# Altium PCB neuro_module.PcbDoc (part 1 of 5) (continued)
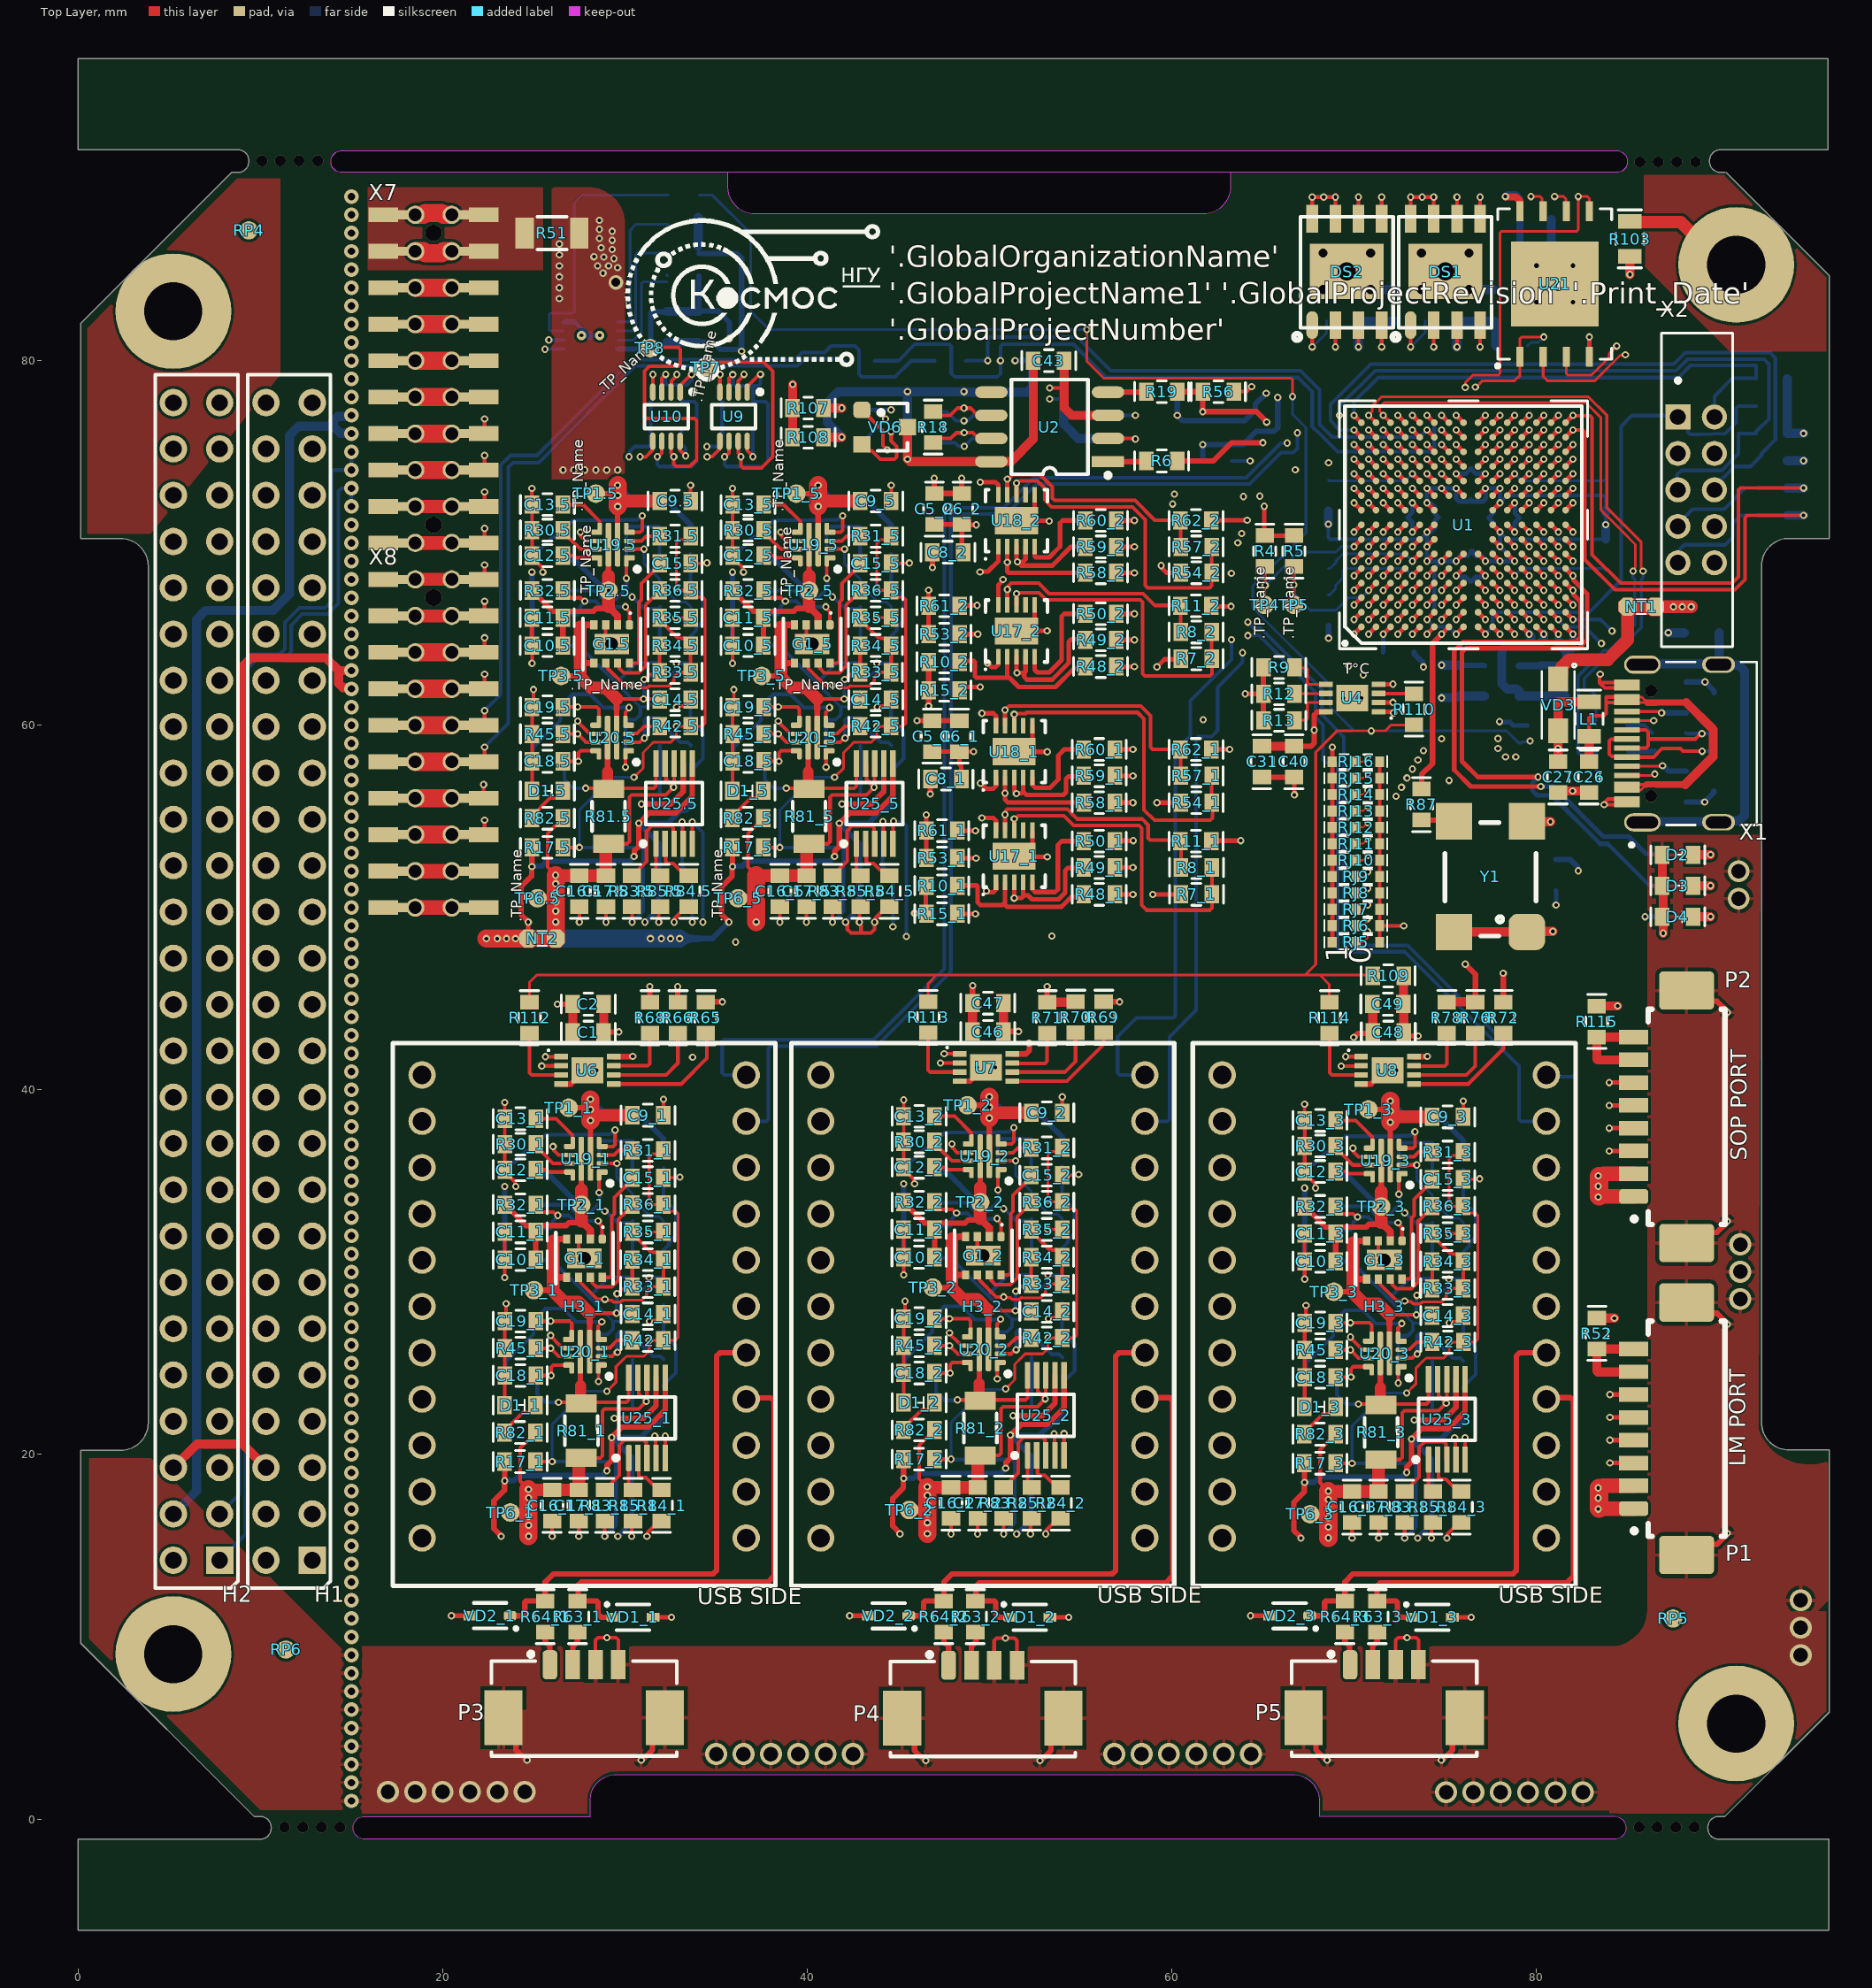
[diagram p0: Top Layer view]
## Components (designator, comment, footprint, x,y, rotation, side; value= is the part's Value field where it differs from the comment)
C1 "10мкФ" SMD_C0603 27.14,43.167 r0 top
C2 "0.1мкФ" SMD_C0603 27.14,44.704 r0 top
C3 "0.1мкФ" SMD_C0603 76.395,72.384 r90 bottom
C4 "0.1мкФ" SMD_C0603 77.374,71.378 r0 bottom
C5_1 "Capacitor" SMD_C0603 46.852,58.552 r90 top value=10мкФ (schematic designator C5)
C5_2 "Capacitor" SMD_C0603 46.979,71.016 r90 top value=10мкФ (schematic designator C5)
C6_1 "Capacitor" SMD_C0603 48.352,58.552 r90 top value=0.1мкФ (schematic designator C6)
C6_2 "Capacitor" SMD_C0603 48.479,71.016 r90 top value=0.1мкФ (schematic designator C6)
C7 "0.1мкФ" SMD_C0603 73.3,64 r180 bottom
C8_1 "Capacitor" SMD_C0603 48.452,57.052 r180 top value=0.1мкФ (schematic designator C8)
C8_2 "Capacitor" SMD_C0603 48.563,69.494 r180 top value=0.1мкФ (schematic designator C8)
C9.5 "Capacitor" SMD_C0603 33.6,72.3 r180 top value=10мкФ (schematic designator C9)
C9_1 "Capacitor" SMD_C0603 32.109,38.609 r180 top value=10мкФ (schematic designator C9)
C9_2 "Capacitor" SMD_C0603 53.988,38.746 r180 top value=10мкФ (schematic designator C9)
C9_3 "Capacitor" SMD_C0603 75.985,38.518 r180 top value=10мкФ (schematic designator C9)
C9_5 "Capacitor" SMD_C0603 44.6,72.3 r180 top value=10мкФ (schematic designator C9)
C10.5 "Capacitor" SMD_C0603 24.9,64.375 r0 top value=10мкФ (schematic designator C10)
C10_1 "Capacitor" SMD_C0603 23.409,30.684 r0 top value=10мкФ (schematic designator C10)
C10_2 "Capacitor" SMD_C0603 45.288,30.821 r0 top value=10мкФ (schematic designator C10)
C10_3 "Capacitor" SMD_C0603 67.285,30.593 r0 top value=10мкФ (schematic designator C10)
C10_5 "Capacitor" SMD_C0603 35.9,64.375 r0 top value=10мкФ (schematic designator C10)
C11.5 "Capacitor" SMD_C0603 24.9,65.9 r0 top value=0.1мкФ (schematic designator C11)
C11_1 "Capacitor" SMD_C0603 23.409,32.209 r0 top value=0.1мкФ (schematic designator C11)
C11_2 "Capacitor" SMD_C0603 45.288,32.346 r0 top value=0.1мкФ (schematic designator C11)
C11_3 "Capacitor" SMD_C0603 67.285,32.118 r0 top value=0.1мкФ (schematic designator C11)
C11_5 "Capacitor" SMD_C0603 35.9,65.9 r0 top value=0.1мкФ (schematic designator C11)
C12.5 "2.4нФ" SMD_C0603 24.903,69.308 r0 top (schematic designator C12)
C12_1 "2.4нФ" SMD_C0603 23.412,35.617 r0 top (schematic designator C12)
C12_2 "2.4нФ" SMD_C0603 45.291,35.754 r0 top (schematic designator C12)
C12_3 "2.4нФ" SMD_C0603 67.287,35.526 r0 top (schematic designator C12)
C12_5 "2.4нФ" SMD_C0603 35.903,69.308 r0 top (schematic designator C12)
C13.5 "16нФ" SMD_C0603 24.903,72.108 r0 top (schematic designator C13)
C13_1 "16нФ" SMD_C0603 23.412,38.417 r0 top (schematic designator C13)
C13_2 "16нФ" SMD_C0603 45.291,38.554 r0 top (schematic designator C13)
C13_3 "16нФ" SMD_C0603 67.287,38.326 r0 top (schematic designator C13)
C13_5 "16нФ" SMD_C0603 35.903,72.108 r0 top (schematic designator C13)
C14.5 "Capacitor" SMD_C0603 33.6,61.4 r180 top value=10мкФ (schematic designator C14)
C14_1 "Capacitor" SMD_C0603 32.109,27.709 r180 top value=10мкФ (schematic designator C14)
C14_2 "Capacitor" SMD_C0603 53.988,27.846 r180 top value=10мкФ (schematic designator C14)
C14_3 "Capacitor" SMD_C0603 75.985,27.618 r180 top value=10мкФ (schematic designator C14)
C14_5 "Capacitor" SMD_C0603 44.6,61.4 r180 top value=10мкФ (schematic designator C14)
C15.5 "Capacitor" SMD_C0603 33.6,68.875 r180 top value=0.1мкФ (schematic designator C15)
C15_1 "Capacitor" SMD_C0603 32.109,35.184 r180 top value=0.1мкФ (schematic designator C15)
C15_2 "Capacitor" SMD_C0603 53.988,35.321 r180 top value=0.1мкФ (schematic designator C15)
C15_3 "Capacitor" SMD_C0603 75.985,35.093 r180 top value=0.1мкФ (schematic designator C15)
C15_5 "Capacitor" SMD_C0603 44.6,68.875 r180 top value=0.1мкФ (schematic designator C15)
C16.5 "Capacitor" SMD_C0603 27.5,50.049 r90 top value=10мкФ (schematic designator C16)
C16_1 "Capacitor" SMD_C0603 26.009,16.358 r90 top value=10мкФ (schematic designator C16)
C16_2 "Capacitor" SMD_C0603 47.888,16.495 r90 top value=10мкФ (schematic designator C16)
C16_3 "Capacitor" SMD_C0603 69.885,16.266 r90 top value=10мкФ (schematic designator C16)
C16_5 "Capacitor" SMD_C0603 38.5,50.049 r90 top value=10мкФ (schematic designator C16)
C17.5 "Capacitor" SMD_C0603 28.96,50.049 r90 top value=0.1мкФ (schematic designator C17)
C17_1 "Capacitor" SMD_C0603 27.47,16.358 r90 top value=0.1мкФ (schematic designator C17)
C17_2 "Capacitor" SMD_C0603 49.349,16.495 r90 top value=0.1мкФ (schematic designator C17)
C17_3 "Capacitor" SMD_C0603 71.345,16.266 r90 top value=0.1мкФ (schematic designator C17)
C17_5 "Capacitor" SMD_C0603 39.96,50.049 r90 top value=0.1мкФ (schematic designator C17)
C18.5 "2.4нФ" SMD_C0603 24.903,58.023 r0 top (schematic designator C18)
C18_1 "2.4нФ" SMD_C0603 23.412,24.332 r0 top (schematic designator C18)
C18_2 "2.4нФ" SMD_C0603 45.291,24.469 r0 top (schematic designator C18)
C18_3 "2.4нФ" SMD_C0603 67.287,24.24 r0 top (schematic designator C18)
C18_5 "2.4нФ" SMD_C0603 35.903,58.023 r0 top (schematic designator C18)
C19.5 "10нФ" SMD_C0603 24.903,61.004 r0 top (schematic designator C19)
C19_1 "10нФ" SMD_C0603 23.412,27.313 r0 top (schematic designator C19)
C19_2 "10нФ" SMD_C0603 45.291,27.45 r0 top (schematic designator C19)
C19_3 "10нФ" SMD_C0603 67.287,27.222 r0 top (schematic designator C19)
C19_5 "10нФ" SMD_C0603 35.903,61.004 r0 top (schematic designator C19)
C20 "0.1мкФ" SMD_C0603 77.663,83.9 r270 bottom
C21 "0.1мкФ" SMD_C0603 72.3,83.9 r270 bottom
C24 "0.1мкФ" SMD_C0603 80.821,86.347 r180 bottom
C25 "10мкФ" SMD_C0603 80.821,87.747 r180 bottom
C26 "0.1мкФ" SMD_C0603 82.89,56.317 r90 top
C27 "0.1мкФ" SMD_C0603 81.19,56.317 r90 top
C28 "10мкФ" SMD_C0603 79.507,59.983 r0 bottom
C29 "K10-79" SMD_C0603 84.97,61.536 r180 bottom value=22пФ
C30 "K10-79" SMD_C0603 84.97,56.936 r180 bottom value=22пФ
C31 "10мкФ" SMD_C0603 64.948,57.152 r90 top
C32.5 "0.1мкФ" SMD_C0603 31.905,55.68 r0 bottom (schematic designator C32)
C32_1 "0.1мкФ" SMD_C0603 30.414,21.989 r0 bottom (schematic designator C32)
C32_2 "0.1мкФ" SMD_C0603 52.293,22.101 r0 bottom (schematic designator C32)
C32_3 "0.1мкФ" SMD_C0603 74.29,21.897 r0 bottom (schematic designator C32)
C32_5 "0.1мкФ" SMD_C0603 42.905,55.68 r0 bottom (schematic designator C32)
C33 "0.1мкФ" SMD_C0603 81.064,52.632 r270 bottom
C34 "Capacitor" SMD_C0603 68.587,71.75 r90 bottom value=10мкФ
C35 "Capacitor" SMD_C0603 83.8,71.8 r90 bottom value=10мкФ
C36 "0.1мкФ" SMD_C0603 76.396,69.566 r270 bottom
C37 "10мкФ" SMD_C0603 75.703,61.595 r90 bottom
C38 "10мкФ" SMD_C0603 81.559,61.597 r90 bottom
C39 "0.1мкФ" SMD_C0603 80.263,61.597 r90 bottom
C40 "0.1мкФ" SMD_C0603 66.7,57.152 r90 top
C41 "0.1мкФ" SMD_C0603 74.624,71.406 r180 bottom
C42 "10мкФ" SMD_C0603 34.06,81.028 r90 bottom
C43 "0.1мкФ" SMD_C0603 52.4,80 r0 top
C44 "0.1мкФ" SMD_C0603 52.364,80.008 r0 bottom
C45 "0.1мкФ" SMD_C0603 32.299,81.002 r90 bottom
C46 "10мкФ" SMD_C0603 49.06,43.195 r0 top
C47 "0.1мкФ" SMD_C0603 49.06,44.757 r0 top
C48 "10мкФ" SMD_C0603 71.031,43.167 r0 top
C49 "0.1мкФ" SMD_C0603 71.009,44.704 r0 top
D1.5 "LED" LED_0603 26.591,56.4 r180 top value=red (schematic designator D1)
D1_1 "LED" LED_0603 25.101,22.709 r180 top value=red (schematic designator D1)
D1_2 "LED" LED_0603 46.98,22.846 r180 top value=red (schematic designator D1)
D1_3 "LED" LED_0603 68.976,22.618 r180 top value=red (schematic designator D1)
D1_5 "LED" LED_0603 37.591,56.4 r180 top value=red (schematic designator D1)
D2 "LED" LED_0603 88.604,52.897 r180 top value=blue
D3 "LED" LED_0603 88.604,51.197 r180 top value=green
D4 "LED" LED_0603 88.604,49.497 r180 top value=red
DS1 "FM25V20" TDFN-8_6x5 73.1,81.95 r90 top
DS2 "FM25V20" TDFN-8_6x5 67.7,81.95 r90 top
G1.5 "TPS82130" uSiL-8 30.247,65.506 r270 top (schematic designator G1)
G1_1 "TPS82130" uSiL-8 28.757,31.816 r270 top (schematic designator G1)
G1_2 "TPS82130" uSiL-8 50.636,31.953 r270 top (schematic designator G1)
G1_3 "TPS82130" uSiL-8 72.632,31.724 r270 top (schematic designator G1)
G1_5 "TPS82130" uSiL-8 41.247,65.506 r270 top (schematic designator G1)
H1 "ESQ-126-39-G-D" ESQ-126-39-G-D 12.85,14.2 r90 top locked
H2 "ESQ-126-39-G-D" ESQ-126-39-G-D 7.77,14.2 r90 top locked
H3_1 "DS1021-1x20" DS1021-1x20 38.262,14.048 r180 top (schematic designator H3)
H3_2 "DS1021-1x20" DS1021-1x20 60.132,14.048 r180 top (schematic designator H3)
H3_3 "DS1021-1x20" DS1021-1x20 82.153,14.048 r180 top (schematic designator H3)
L1 "Inductor" SMD_0805 82.89,59.393 r90 top value=1мкГн
L2 "65Ohm@100MHz" ACM2012 86.491,58.577 r0 bottom
L3 "Inductor" SMD_0805 90.019,65.076 r180 bottom value=1мкГн
L4 "1мкГн" SMD_0805 77.157,63.262 r0 bottom
L5 "1мкГн" SMD_0805 77.153,61.595 r0 bottom
NT1 "OSM R1-8" NetTie_1mm 85,66.5 r0 top net-tie value=0
NT2 "OSM R1-8" NetTie_1mm 26.2,48.3 r180 top net-tie value=0
P1 "53261-0871" 53261-0871 86.763,21.412 r90 top
P2 "53261-0871" 53261-0871 86.763,38.524 r90 top
P3 "PicoBlade_53261-0471" 53261-0471 27.762,7.013 r0 top
P4 "PicoBlade_53261-0471" 53261-0471 49.632,6.987 r0 top
P5 "PicoBlade_53261-0471" 53261-0471 71.653,7.013 r0 top
R1 "4к7" SMD_0603 86.955,52.897 r0 bottom
R2 "10к" SMD_0603 86.955,51.197 r0 bottom
R3 "4к7" SMD_0603 86.955,49.497 r0 bottom
R4 "4к7" SMD_0603 65.1,68.7 r90 top
R5 "4к7" SMD_0603 66.7,68.7 r90 top
R6 "Resistor" SMD_0603 58.6,74.5 r0 top value=100
R7_1 "Resistor" SMD_0603 60.503,50.724 r0 top value=910 (schematic designator R7)
R7_2 "Resistor" SMD_0603 60.49,63.652 r0 top value=910 (schematic designator R7)
R8_1 "Resistor" SMD_0603 60.503,52.197 r0 top value=120 (schematic designator R8)
R8_2 "Resistor" SMD_0603 60.49,65.112 r0 top value=120 (schematic designator R8)
R9 "100" SMD_0603 65.024,63.17 r0 top
R10_1 "Resistor" SMD_0603 46.533,51.192 r0 top value=100к (schematic designator R10)
R10_2 "Resistor" SMD_0603 46.66,63.475 r0 top value=100к (schematic designator R10)
R11_1 "Resistor" SMD_0603 62.179,53.645 r180 top value=910 (schematic designator R11)
R11_2 "Resistor" SMD_0603 62.179,66.548 r180 top value=910 (schematic designator R11)
R12 "100" SMD_0603 65.024,61.723 r0 top
R13 "100" SMD_0603 65.024,60.274 r0 top
R14 "100" SMD_0603 34.052,87.485 r180 bottom
R15_1 "Resistor" SMD_0603 46.533,49.657 r0 top value=100к (schematic designator R15)
R15_2 "Resistor" SMD_0603 46.66,61.925 r0 top value=100к (schematic designator R15)
R16 "100" SMD_0603 34.049,85.894 r180 bottom
R17.5 "10к" SMD_0603 26.591,53.3 r180 top (schematic designator R17)
R17_1 "10к" SMD_0603 25.101,19.609 r180 top (schematic designator R17)
R17_2 "10к" SMD_0603 46.98,19.746 r180 top (schematic designator R17)
R17_3 "10к" SMD_0603 68.976,19.518 r180 top (schematic designator R17)
R17_5 "10к" SMD_0603 37.591,53.3 r180 top (schematic designator R17)
R18 "Resistor" SMD_0603 46.9,77.2 r270 top value=120
R19 "Resistor" SMD_0603 58.604,78.3 r0 top value=510
R20.5 "470к" SMD_0603 31.911,70.9 r0 bottom (schematic designator R20)
R20_1 "470k" SMD_0603 30.421,37.209 r0 bottom (schematic designator R20)
R20_2 "470k" SMD_0603 52.299,37.321 r0 bottom (schematic designator R20)
R20_3 "470k" SMD_0603 74.296,37.118 r0 bottom (schematic designator R20)
R20_5 "470к" SMD_0603 42.911,70.9 r0 bottom (schematic designator R20)
R21.5 "51к" SMD_0603 24.901,69.307 r0 bottom (schematic designator R21)
R21_1 "51к" SMD_0603 23.411,35.616 r0 bottom (schematic designator R21)
R21_2 "51к" SMD_0603 45.29,35.728 r0 bottom (schematic designator R21)
R21_3 "51к" SMD_0603 67.286,35.524 r0 bottom (schematic designator R21)
R21_5 "51к" SMD_0603 35.901,69.307 r0 bottom (schematic designator R21)
R22.5 "120к" SMD_0603 33.6,69.4 r180 bottom (schematic designator R22)
R22_1 "120k" SMD_0603 32.109,35.709 r180 bottom (schematic designator R22)
R22_2 "120k" SMD_0603 53.988,35.821 r180 bottom (schematic designator R22)
R22_3 "120k" SMD_0603 75.985,35.618 r180 bottom (schematic designator R22)
R22_5 "120к" SMD_0603 44.6,69.4 r180 bottom (schematic designator R22)
R23.5 "5к6" SMD_0603 24.903,70.708 r0 bottom (schematic designator R23)
R23_1 "5к6" SMD_0603 23.412,37.017 r0 bottom (schematic designator R23)
R23_2 "5к6" SMD_0603 45.291,37.129 r0 bottom (schematic designator R23)
R23_3 "5к6" SMD_0603 67.287,36.926 r0 bottom (schematic designator R23)
R23_5 "5к6" SMD_0603 35.903,70.708 r0 bottom (schematic designator R23)
R24.5 "0" SMD_0603 31.911,67.9 r0 bottom (schematic designator R24)
R24_1 "0" SMD_0603 30.421,34.209 r0 bottom (schematic designator R24)
R24_2 "0" SMD_0603 52.299,34.321 r0 bottom (schematic designator R24)
R24_3 "0" SMD_0603 74.296,34.118 r0 bottom (schematic designator R24)
R24_5 "0" SMD_0603 42.911,67.9 r0 bottom (schematic designator R24)
R25.5 "100" SMD_0603 26.602,67.387 r180 bottom (schematic designator R25)
R25_1 "100" SMD_0603 25.111,33.697 r180 bottom (schematic designator R25)
R25_2 "100" SMD_0603 46.99,33.808 r180 bottom (schematic designator R25)
R25_3 "100" SMD_0603 68.987,33.605 r180 bottom (schematic designator R25)
R25_5 "100" SMD_0603 37.602,67.387 r180 bottom (schematic designator R25)
R26.5 "Resistor" SMD_0603 26.6,65.9 r180 bottom value=DNP (schematic designator R26)
R26_1 "Resistor" SMD_0603 25.109,32.209 r180 bottom value=DNP (schematic designator R26)
R26_2 "Resistor" SMD_0603 46.988,32.321 r180 bottom value=DNP (schematic designator R26)
R26_3 "Resistor" SMD_0603 68.985,32.118 r180 bottom value=DNP (schematic designator R26)
R26_5 "Resistor" SMD_0603 37.6,65.9 r180 bottom value=DNP (schematic designator R26)
R27.5 "43к" SMD_0603 31.911,64.9 r0 bottom (schematic designator R27)
R27_1 "43k" SMD_0603 30.421,31.209 r0 bottom (schematic designator R27)
R27_2 "43k" SMD_0603 52.299,31.321 r0 bottom (schematic designator R27)
R27_3 "43k" SMD_0603 74.296,31.118 r0 bottom (schematic designator R27)
R27_5 "43к" SMD_0603 42.911,64.9 r0 bottom (schematic designator R27)
R28.5 "390к(DNP)" SMD_0603 31.911,66.4 r0 bottom (schematic designator R28)
R28_1 "390к(DNP)" SMD_0603 30.421,32.709 r0 bottom (schematic designator R28)
R28_2 "390к(DNP)" SMD_0603 52.299,32.821 r0 bottom (schematic designator R28)
R28_3 "390к(DNP)" SMD_0603 74.296,32.618 r0 bottom (schematic designator R28)
R28_5 "390к(DNP)" SMD_0603 42.911,66.4 r0 bottom (schematic designator R28)
R29.5 "Resistor" SMD_0603 26.601,64.374 r180 bottom value=DNP (schematic designator R29)
R29_1 "Resistor" SMD_0603 25.111,30.683 r180 bottom value=DNP (schematic designator R29)
R29_2 "Resistor" SMD_0603 46.99,30.794 r180 bottom value=DNP (schematic designator R29)
R29_3 "Resistor" SMD_0603 68.986,30.591 r180 bottom value=DNP (schematic designator R29)
R29_5 "Resistor" SMD_0603 37.601,64.374 r180 bottom value=DNP (schematic designator R29)
R30.5 "3к3" SMD_0603 24.903,70.708 r0 top (schematic designator R30)
R30_1 "3k3" SMD_0603 23.412,37.017 r0 top (schematic designator R30)
R30_2 "3k3" SMD_0603 45.291,37.154 r0 top (schematic designator R30)
R30_3 "3k3" SMD_0603 67.287,36.926 r0 top (schematic designator R30)
R30_5 "3к3" SMD_0603 35.903,70.708 r0 top (schematic designator R30)
R31.5 "10" SMD_0603 33.6,70.375 r180 top (schematic designator R31)
R31_1 "10" SMD_0603 32.109,36.684 r180 top (schematic designator R31)
R31_2 "10" SMD_0603 53.988,36.821 r180 top (schematic designator R31)
R31_3 "10" SMD_0603 75.985,36.593 r180 top (schematic designator R31)
R31_5 "10" SMD_0603 44.6,70.375 r180 top (schematic designator R31)
R32.5 "Resistor" SMD_0603 24.903,67.388 r0 top value=100к (schematic designator R32)
R32_1 "Resistor" SMD_0603 23.412,33.697 r0 top value=100к (schematic designator R32)
R32_2 "Resistor" SMD_0603 45.291,33.834 r0 top value=100к (schematic designator R32)
R32_3 "Resistor" SMD_0603 67.287,33.606 r0 top value=100к (schematic designator R32)
R32_5 "Resistor" SMD_0603 35.903,67.388 r0 top value=100к (schematic designator R32)
R33.5 "150к" SMD_0603 31.9,62.9 r0 top (schematic designator R33)
R33_1 "160k" SMD_0603 30.409,29.209 r0 top (schematic designator R33)
R33_2 "160k" SMD_0603 52.288,29.346 r0 top (schematic designator R33)
R33_3 "160k" SMD_0603 74.285,29.118 r0 top (schematic designator R33)
R33_5 "160к" SMD_0603 42.9,62.9 r0 top (schematic designator R33)
R34.5 "DNP" SMD_0603 31.9,64.375 r0 top (schematic designator R34)
R34_1 "DNP" SMD_0603 30.409,30.684 r0 top (schematic designator R34)
R34_2 "DNP" SMD_0603 52.288,30.821 r0 top (schematic designator R34)
R34_3 "DNP" SMD_0603 74.285,30.593 r0 top (schematic designator R34)
R34_5 "DNP" SMD_0603 42.9,64.375 r0 top (schematic designator R34)
R35.5 "47к" SMD_0603 31.9,65.9 r0 top (schematic designator R35)
R35_1 "30k" SMD_0603 30.409,32.209 r0 top (schematic designator R35)
R35_2 "30k" SMD_0603 52.288,32.346 r0 top (schematic designator R35)
R35_3 "30k" SMD_0603 74.285,32.118 r0 top (schematic designator R35)
R35_5 "30к" SMD_0603 42.9,65.9 r0 top (schematic designator R35)
R36.5 "10" SMD_0603 33.6,67.4 r180 top (schematic designator R36)
R36_1 "10" SMD_0603 32.109,33.709 r180 top (schematic designator R36)
R36_2 "10" SMD_0603 53.988,33.846 r180 top (schematic designator R36)
R36_3 "10" SMD_0603 75.985,33.618 r180 top (schematic designator R36)
R36_5 "10" SMD_0603 44.6,67.4 r180 top (schematic designator R36)
R37.5 "470к" SMD_0603 31.911,63.425 r0 bottom (schematic designator R37)
R37_1 "470k" SMD_0603 30.421,29.734 r0 bottom (schematic designator R37)
R37_2 "470k" SMD_0603 52.299,29.846 r0 bottom (schematic designator R37)
R37_3 "470k" SMD_0603 74.296,29.643 r0 bottom (schematic designator R37)
R37_5 "470к" SMD_0603 42.911,63.425 r0 bottom (schematic designator R37)
R38.5 "51к" SMD_0603 24.978,58.02 r0 bottom (schematic designator R38)
R38_1 "51к" SMD_0603 23.487,24.329 r0 bottom (schematic designator R38)
R38_2 "51к" SMD_0603 45.366,24.44 r0 bottom (schematic designator R38)
R38_3 "51к" SMD_0603 67.363,24.237 r0 bottom (schematic designator R38)
R38_5 "51к" SMD_0603 35.978,58.02 r0 bottom (schematic designator R38)
R39.5 "91к" SMD_0603 33.6,61.9 r180 bottom (schematic designator R39)
R39_1 "62k" SMD_0603 32.109,28.209 r180 bottom (schematic designator R39)
R39_2 "62k" SMD_0603 53.988,28.321 r180 bottom (schematic designator R39)
R39_3 "62k" SMD_0603 75.985,28.118 r180 bottom (schematic designator R39)
R39_5 "62к" SMD_0603 44.6,61.9 r180 bottom (schematic designator R39)
R40.5 "5к6" SMD_0603 24.903,60.973 r0 bottom (schematic designator R40)
R40_1 "5к6" SMD_0603 23.412,27.282 r0 bottom (schematic designator R40)
R40_2 "5к6" SMD_0603 45.291,27.393 r0 bottom (schematic designator R40)
R40_3 "5к6" SMD_0603 67.287,27.19 r0 bottom (schematic designator R40)
R40_5 "5к6" SMD_0603 35.903,60.973 r0 bottom (schematic designator R40)
R41.5 "0" SMD_0603 31.911,60.4 r0 bottom (schematic designator R41)
R41_1 "0" SMD_0603 30.421,26.709 r0 bottom (schematic designator R41)
R41_2 "0" SMD_0603 52.299,26.821 r0 bottom (schematic designator R41)
R41_3 "0" SMD_0603 74.296,26.618 r0 bottom (schematic designator R41)
R41_5 "0" SMD_0603 42.911,60.4 r0 bottom (schematic designator R41)
R42.5 "DNP" SMD_0603 33.605,59.948 r180 top (schematic designator R42)
R42_1 "DNP" SMD_0603 32.114,26.257 r180 top (schematic designator R42)
R42_2 "DNP" SMD_0603 53.993,26.394 r180 top (schematic designator R42)
R42_3 "DNP" SMD_0603 75.99,26.166 r180 top (schematic designator R42)
R42_5 "DNP" SMD_0603 44.605,59.948 r180 top (schematic designator R42)
R43.5 "270к" SMD_0603 31.911,57.4 r0 bottom (schematic designator R43)
R43_1 "130k" SMD_0603 30.421,23.709 r0 bottom (schematic designator R43)
R43_2 "130k" SMD_0603 52.299,23.821 r0 bottom (schematic designator R43)
R43_3 "130k" SMD_0603 74.296,23.618 r0 bottom (schematic designator R43)
R43_5 "130к" SMD_0603 42.911,57.4 r0 bottom (schematic designator R43)
R44.5 "390к(DNP)" SMD_0603 31.911,58.9 r0 bottom (schematic designator R44)
R44_1 "390к(DNP)" SMD_0603 30.421,25.209 r0 bottom (schematic designator R44)
R44_2 "390к(DNP)" SMD_0603 52.299,25.321 r0 bottom (schematic designator R44)
R44_3 "390к(DNP)" SMD_0603 74.296,25.118 r0 bottom (schematic designator R44)
R44_5 "390к(DNP)" SMD_0603 42.911,58.9 r0 bottom (schematic designator R44)
R45.5 "1к1" SMD_0603 24.903,59.523 r0 top (schematic designator R45)
R45_1 "3k3" SMD_0603 23.412,25.832 r0 top (schematic designator R45)
R45_2 "3k3" SMD_0603 45.291,25.969 r0 top (schematic designator R45)
R45_3 "3k3" SMD_0603 67.287,25.74 r0 top (schematic designator R45)
R45_5 "3к3" SMD_0603 35.903,59.523 r0 top (schematic designator R45)
R46 "OSM R1-8" SMD_0603 84.97,60 r180 bottom value=27
R47 "OSM R1-8" SMD_0603 84.97,58.476 r180 bottom value=27
R48_1 "Resistor" SMD_0603 55.169,50.724 r0 top value=100 (schematic designator R48)
R48_2 "Resistor" SMD_0603 55.247,63.221 r0 top value=100 (schematic designator R48)
R49_1 "Resistor" SMD_0603 55.169,52.197 r0 top value=100 (schematic designator R49)
R49_2 "Resistor" SMD_0603 55.245,64.68 r0 top value=100 (schematic designator R49)
R50_1 "Resistor" SMD_0603 55.169,53.645 r0 top value=100 (schematic designator R50)
R50_2 "Resistor" SMD_0603 55.247,66.116 r0 top value=100 (schematic designator R50)
R51 "0" SMD_1206 24.5,87 r0 top
R52 "1k" SMD_0603 83.314,27.487 r270 top
R53_1 "Resistor" SMD_0603 46.533,52.717 r0 top value=10к (schematic designator R53)
R53_2 "Resistor" SMD_0603 46.66,64.999 r0 top value=10к (schematic designator R53)
R54_1 "Resistor" SMD_0603 60.49,55.753 r0 top value=910 (schematic designator R54)
R54_2 "Resistor" SMD_0603 60.49,68.363 r0 top value=910 (schematic designator R54)
R55 "Resistor" SMD_0603 58.6,74.5 r0 bottom value=510
R56 "Resistor" SMD_0603 63.4,78.3 r180 top value=1к
R57_1 "Resistor" SMD_0603 60.49,57.226 r0 top value=120 (schematic designator R57)
R57_2 "Resistor" SMD_0603 60.49,69.786 r0 top value=120 (schematic designator R57)
R58_1 "Resistor" SMD_0603 55.171,55.753 r0 top value=100 (schematic designator R58)
R58_2 "Resistor" SMD_0603 55.247,68.363 r0 top value=100 (schematic designator R58)
R59_1 "Resistor" SMD_0603 55.169,57.226 r0 top value=100 (schematic designator R59)
R59_2 "Resistor" SMD_0603 55.247,69.786 r0 top value=100 (schematic designator R59)
R60_1 "Resistor" SMD_0603 55.169,58.674 r0 top value=100 (schematic designator R60)
R60_2 "Resistor" SMD_0603 55.247,71.234 r0 top value=100 (schematic designator R60)
R61_1 "Resistor" SMD_0603 46.533,54.217 r0 top value=10к (schematic designator R61)
R61_2 "Resistor" SMD_0603 46.66,66.548 r0 top value=10к (schematic designator R61)
R62_1 "Resistor" SMD_0603 62.179,58.674 r180 top value=910 (schematic designator R62)
R62_2 "Resistor" SMD_0603 62.179,71.234 r180 top value=910 (schematic designator R62)
R63_1 "Resistor" SMD_0603 27.407,10.263 r90 top value=100 (schematic designator R63)
R63_2 "Resistor" SMD_0603 49.225,10.263 r90 top value=100 (schematic designator R63)
R63_3 "Resistor" SMD_0603 71.272,10.262 r90 top value=100 (schematic designator R63)
R64_1 "Resistor" SMD_0603 25.629,10.263 r90 top value=100 (schematic designator R64)
R64_2 "Resistor" SMD_0603 47.498,10.263 r90 top value=100 (schematic designator R64)
R64_3 "Resistor" SMD_0603 69.494,10.263 r90 top value=100 (schematic designator R64)
R65 "100" SMD_0603 34.442,44.806 r270 top
R66 "100" SMD_0603 32.906,44.806 r270 top
R67 "Resistor" SMD_0603 46.9,75.5 r90 bottom value=120
R68 "100" SMD_0603 31.369,44.806 r270 top
R69 "100" SMD_0603 56.259,44.831 r270 top
R70 "100" SMD_0603 54.722,44.831 r270 top
R71 "100" SMD_0603 53.16,44.806 r270 top
R72 "100" SMD_0603 78.182,44.817 r270 top
R73 "OSM R1-8" SMD_0603 88.219,57.497 r270 bottom value=5к1
R74 "OSM R1-8" SMD_0603 88.219,62.377 r270 bottom value=5к1
R75 "Resistor" SMD_0603 58.6,78.3 r0 bottom value=100
R76 "100" SMD_0603 76.645,44.817 r270 top
R77 "100" SMD_0603 34.049,84.294 r180 bottom
R78 "100" SMD_0603 75.083,44.817 r270 top
R79 "100к" SMD_0603 37.022,76.124 r180 bottom
R80 "100" SMD_0603 35.333,77.749 r0 bottom
R81.5 "1мОм 0.5% 100ppm/°C" SMD_1206 29.1,53.5 r90 top (schematic designator R81)
R81_1 "1мОм 0.5% 100ppm/°C" SMD_1206 27.61,19.809 r90 top (schematic designator R81)
R81_2 "1мОм 0.5% 100ppm/°C" SMD_1206 49.489,19.946 r90 top (schematic designator R81)
R81_3 "1мОм 0.5% 100ppm/°C" SMD_1206 71.485,19.718 r90 top (schematic designator R81)
R81_5 "1мОм 0.5% 100ppm/°C" SMD_1206 40.1,53.5 r90 top (schematic designator R81)
R82.5 "4к7" SMD_0603 26.591,54.9 r180 top (schematic designator R82)
R82_1 "4k7" SMD_0603 25.101,21.209 r180 top (schematic designator R82)
R82_2 "4k7" SMD_0603 46.98,21.346 r180 top (schematic designator R82)
R82_3 "4k7" SMD_0603 68.976,21.118 r180 top (schematic designator R82)
R82_5 "4к7" SMD_0603 37.591,54.9 r180 top (schematic designator R82)
R83.5 "10" SMD_0603 30.389,50.049 r90 top (schematic designator R83)
R83_1 "10" SMD_0603 28.899,16.358 r90 top (schematic designator R83)
R83_2 "10" SMD_0603 50.778,16.495 r90 top (schematic designator R83)
R83_3 "10" SMD_0603 72.774,16.266 r90 top (schematic designator R83)
R83_5 "10" SMD_0603 41.389,50.049 r90 top (schematic designator R83)
R84.5 "100" SMD_0603 33.5,50.049 r90 top (schematic designator R84)
R84_1 "100" SMD_0603 32.009,16.358 r90 top (schematic designator R84)
R84_2 "100" SMD_0603 53.888,16.495 r90 top (schematic designator R84)
R84_3 "100" SMD_0603 75.885,16.266 r90 top (schematic designator R84)
R84_5 "100" SMD_0603 44.5,50.049 r90 top (schematic designator R84)
R85.5 "100" SMD_0603 31.935,50.049 r90 top (schematic designator R85)
R85_1 "100" SMD_0603 30.445,16.358 r90 top (schematic designator R85)
R85_2 "100" SMD_0603 52.324,16.495 r90 top (schematic designator R85)
R85_3 "100" SMD_0603 74.32,16.266 r90 top (schematic designator R85)
R85_5 "100" SMD_0603 42.935,50.049 r90 top (schematic designator R85)
R86 "100к" SMD_0603 33.11,76.124 r180 bottom
R87 "33" SMD_0603 73.7,54.8 r90 top
R88 "Resistor" SMD_0603 93.756,77.511 r180 bottom value=10к
R89 "Resistor" SMD_0603 68.587,70.3 r270 bottom value=0
R90 "Resistor" SMD_0603 83.8,70.2 r270 bottom value=0
R91 "Resistor" SMD_0603 68.587,65.46 r90 bottom value=1к
R92 "4к7" SMD_0603 92.056,79.011 r0 bottom
R93 "4к7" SMD_0603 92.056,76.011 r0 bottom
R94 "4к7" SMD_0603 93.756,74.511 r180 bottom
R95 "33" SMD_0603 93.756,73.011 r180 bottom
R96 "33" SMD_0603 93.756,71.511 r180 bottom
R97 "Resistor" SMD_0603 75.6,82.2 r180 bottom value=10к
R98 "Resistor" SMD_0603 70.2,82.2 r180 bottom value=10к
R101 "Resistor" SMD_0603 77.8,80.8 r0 bottom value=10к
R102 "Resistor" SMD_0603 63.4,74.5 r180 bottom value=1к
R103 "DNP" SMD_0805 85.127,85.727 r90 top
R104 "100" SMD_0603 31.422,77.749 r0 bottom
R105 "4к7" SMD_0603 48.7,79.992 r180 bottom
R106 "4к7" SMD_0603 43.7,79.992 r180 bottom
R107 "Resistor" SMD_0603 39.2,77.4 r0 top value=0
R108 "Resistor" SMD_0603 39.2,75.8 r0 top value=0
R109 "10k" SMD_0603 71.016,46.256 r0 top
R110 "10" SMD_0603 73.279,61.722 r270 top
R111 "10" SMD_0603 32.385,89.078 r0 bottom
R112 "10" SMD_0603 24.765,43.117 r90 top
R113 "10" SMD_0603 46.632,43.131 r90 top
R114 "10" SMD_0603 68.656,43.117 r90 top
R115 "1k" SMD_0603 83.312,44.601 r270 top
RJ5 "OSM R1-8" SMD_JMP_0402 70.1,48.1 r0 top value=DNP
RJ6 "OSM R1-8" SMD_JMP_0402 70.1,49 r0 top value=DNP
RJ7 "OSM R1-8" SMD_JMP_0402 70.1,49.9 r0 top value=DNP
RJ8 "OSM R1-8" SMD_JMP_0402 70.1,50.8 r0 top value=DNP
RJ9 "OSM R1-8" SMD_JMP_0402 70.1,51.7 r0 top value=DNP
RJ10 "OSM R1-8" SMD_JMP_0402 70.1,52.6 r0 top value=DNP
RJ11 "OSM R1-8" SMD_JMP_0402 70.1,53.5 r0 top value=DNP
RJ12 "OSM R1-8" SMD_JMP_0402 70.1,54.4 r0 top value=DNP
RJ13 "OSM R1-8" SMD_JMP_0402 70.1,55.3 r0 top value=DNP
RJ14 "OSM R1-8" SMD_JMP_0402 70.1,56.2 r0 top value=DNP
RJ15 "OSM R1-8" SMD_JMP_0402 70.1,57.1 r0 top value=DNP
RJ16 "OSM R1-8" SMD_JMP_0402 70.1,58 r0 top value=DNP
RP1 "RP" ReperPoint 9.365,87.15 r180 bottom
RP2 "RP" ReperPoint 11.4,9.3 r180 bottom
RP3 "RP" ReperPoint 87.5,11 r180 bottom
RP4 "RP" ReperPoint 9.365,87.15 r0 top
RP5 "RP" ReperPoint 87.5,11 r0 top
RP6 "RP" ReperPoint 11.4,9.3 r0 top
TP1.5 "VBAT" TP_PAD_1 28.403,72.708 r0 top (schematic designator TP1)
TP1_1 "VBAT" TP_PAD_1 26.912,39.017 r0 top (schematic designator TP1)
TP1_2 "VBAT" TP_PAD_1 48.791,39.154 r0 top (schematic designator TP1)
TP1_3 "VBAT" TP_PAD_1 70.787,38.926 r0 top (schematic designator TP1)
TP1_5 "VBAT" TP_PAD_1 39.403,72.708 r0 top (schematic designator TP1)
TP2.5 "V_IN" TP_PAD_1 29.1,67.387 r0 top (schematic designator TP2)
TP2_1 "V_IN" TP_PAD_1 27.61,33.697 r0 top (schematic designator TP2)
TP2_2 "V_IN" TP_PAD_1 49.489,33.834 r0 top (schematic designator TP2)
TP2_3 "V_IN" TP_PAD_1 71.485,33.605 r0 top (schematic designator TP2)
TP2_5 "V_IN" TP_PAD_1 40.1,67.387 r0 top (schematic designator TP2)
TP3.5 "3V3_RAW" TP_PAD_1 26.503,62.708 r0 top (schematic designator TP3)
TP3_1 "5V0_RAW" TP_PAD_1 25.012,29.017 r0 top (schematic designator TP3)
TP3_2 "5V0_RAW" TP_PAD_1 46.891,29.154 r0 top (schematic designator TP3)
TP3_3 "5V0_RAW" TP_PAD_1 68.887,28.926 r0 top (schematic designator TP3)
TP3_5 "5V0_RAW" TP_PAD_1 37.503,62.708 r0 top (schematic designator TP3)
TP4 "SCL" TP_PAD_1 65.1,66.6 r90 top locked
TP5 "SDA" TP_PAD_1 66.705,66.605 r270 top
TP6.5 "3V3_OUT" TP_PAD_1 25.203,50.508 r0 top (schematic designator TP6)
TP6_1 "5V0_OUT" TP_PAD_1 23.712,16.817 r0 top (schematic designator TP6)
TP6_2 "5V0_OUT" TP_PAD_1 45.591,16.954 r0 top (schematic designator TP6)
TP6_3 "5V0_OUT" TP_PAD_1 67.587,16.726 r0 top (schematic designator TP6)
TP6_5 "5V0_OUT" TP_PAD_1 36.203,50.508 r0 top (schematic designator TP6)
TP7 "PPS" TP_PAD_1 34.442,79.629 r90 top
TP8 "BAT_LOW" TP_PAD_1 31.383,80.687 r90 top
U1 "STM32F769NI" BGA216C80P15X15_1300X1300X110 76,71 r90 top locked
U2 "TJA1050" SOIC-8 56.5,74.46 r180 top
U3 "TJA1050" SOIC-8 56.5,78.27 r180 bottom
U4 "MCP9804-E/MC" DFN-MC8 69.901,61.493 r180 top
U5 "MCP9804-E/MC" DFN-MC8 28.118,81.382 r0 bottom
U6 "MCP9804-E/MC" DFN-MC8 27.942,41.072 r0 top
U7 "MCP9804-E/MC" DFN-MC8 49.809,41.224 r0 top
U8 "MCP9804-E/MC" DFN-MC8 71.833,41.072 r0 top
U9 "NC7NZ34" US-8 35.959,76.93 r270 top
U10 "NC7NZ34" US-8 32.276,76.93 r270 top
U17_1 "ADM3066EBCPZ" LFCSP-10_3x3 51.352,52.817 r90 top (schematic designator U17)
U17_2 "ADM3066EBCPZ" LFCSP-10_3x3 51.479,65.17 r90 top (schematic designator U17)
U18_1 "ADM3066EBCPZ" LFCSP-10_3x3 51.352,58.552 r90 top (schematic designator U18)
U18_2 "ADM3066EBCPZ" LFCSP-10_3x3 51.479,71.225 r90 top (schematic designator U18)
U19.5 "TPS25947x" VQFN-HR-10 29.35,69.886 r180 top (schematic designator U19)
U19_1 "TPS25947x" VQFN-HR-10 27.86,36.195 r180 top (schematic designator U19)
U19_2 "TPS25947x" VQFN-HR-10 49.739,36.332 r180 top (schematic designator U19)
U19_3 "TPS25947x" VQFN-HR-10 71.735,36.104 r180 top (schematic designator U19)
U19_5 "TPS25947x" VQFN-HR-10 40.35,69.886 r180 top (schematic designator U19)
U20.5 "TPS25947x" VQFN-HR-10 29.3,59.3 r180 top (schematic designator U20)
U20_1 "TPS25947x" VQFN-HR-10 27.809,25.609 r180 top (schematic designator U20)
U20_2 "TPS25947x" VQFN-HR-10 49.688,25.746 r180 top (schematic designator U20)
U20_3 "TPS25947x" VQFN-HR-10 71.685,25.518 r180 top (schematic designator U20)
U20_5 "TPS25947x" VQFN-HR-10 40.3,59.3 r180 top (schematic designator U20)
U21 "S25FL128SAGN" WSON-8_6X8 79.1,80.22 r90 top
U25.5 "INA226" VSSOP-10 31.7,53.5 r90 top (schematic designator U25)
U25_1 "INA226" VSSOP-10 30.209,19.809 r90 top (schematic designator U25)
U25_2 "INA226" VSSOP-10 52.088,19.946 r90 top (schematic designator U25)
U25_3 "INA226" VSSOP-10 74.085,19.718 r90 top (schematic designator U25)
U25_5 "INA226" VSSOP-10 42.7,53.5 r90 top (schematic designator U25)
VD1_1 "PESD3V3" SOD-323 29.337,11.074 r0 top (schematic designator VD1)
VD1_2 "PESD3V3" SOD-323 51.105,11.074 r0 top (schematic designator VD1)
VD1_3 "PESD3V3" SOD-323 73.185,11.073 r0 top (schematic designator VD1)
VD2_1 "PESD3V3" SOD-323 23.698,11.157 r180 top (schematic designator VD2)
VD2_2 "PESD3V3" SOD-323 45.568,11.152 r180 top (schematic designator VD2)
VD2_3 "PESD3V3" SOD-323 67.564,11.152 r180 top (schematic designator VD2)
VD3 "MBR0540" SOD-123 81.19,62.543 r270 top
VD4 "PESD5V0" SOD-323 89.751,59.577 r90 bottom
VD5 "PESD5V0" SOD-323 89.734,58.6 r270 bottom
VD6 "PESD2CAN" SOT-23 43,77.3 r0 top
VD7 "PESD2CAN" SOT-23 43,75.4 r0 bottom
X1 "CSP-USC16-TR" VALCON_CSP-USC16-TR 85.223,59 r90 top
X2 "Header 2X10" IDC2-10R 87.764,76.911 r270 top
X7 "Header 2X20" PLD2-20_SD87340-20 22.25,88 r0 top
X8 "Header 2X20" PLD2-20_SD87340-20 22.25,68 r0 top
Y1 "XG-1000CA" SMD_7050_Crystal_Oscillator 79.477,49.657 r90 top

## Footprints (in the part's own frame and the unit in brackets; to place one, negate y for a bottom-side part, rotate by r counter-clockwise, add the part's x,y. Pads: shape width x height; smd on the part's side, far side on the other; paste and mask are expansions set on the pad)
53261-0471 [mm]
  rrect50% 0.8x1.6 smd: 1(-1.875,1.45)
  rect 0.8x1.6 smd: 2(-0.625,1.45) 3(0.625,1.45) 4(1.875,1.45)
  rect 2.1x3 smd: MP1(-4.425,-1.45) MP2(4.425,-1.45)
  silkscreen extent -5.08,-3.55 5.08,2.16, body extent -5.07,-3.55 5.08,1.65, height 3.4
53261-0871 [mm]
  rrect40% 0.8x1.6 smd: 1(-4.375,1.425)
  rect 0.8x1.6 smd: 2(-3.125,1.425) 3(-1.875,1.425) 4(-0.625,1.425) 5(0.625,1.425) 6(1.875,1.425) 7(3.125,1.425) 8(4.375,1.425)
  rrect20% 2.1x3 smd: MP1(-6.925,-1.475) MP2(6.925,-1.475)
  silkscreen extent -5.9,-3.57 5.9,1.52, body extent -7.55,-3.31 7.6,1.89, height 3.4
ACM2012 [mm]
  rrect50% 0.9x0.6 smd: 1(0,0)
  rect 0.9x0.6 smd: 2(1.7,0) 3(1.7,-1) 4(0,-1)
  body extent -0.2,-1.1 1.8,0.1, height 1.29
BGA216C80P15X15_1300X1300X110 [mm]
  round 0.37 smd: A1(-5.6,5.6) A2(-4.8,5.6) A3(-4,5.6) A4(-3.2,5.6) A5(-2.4,5.6) A6(-1.6,5.6) A7(-0.8,5.6) A8(0,5.6) A9(0.8,5.6) A10(1.6,5.6) A11(2.4,5.6) A12(3.2,5.6) A13(4,5.6) A14(4.8,5.6) A15(5.6,5.6) B1(-5.6,4.8) B2(-4.8,4.8) B3(-4,4.8) B4(-3.2,4.8) B5(-2.4,4.8) B6(-1.6,4.8) B7(-0.8,4.8) B8(0,4.8) B9(0.8,4.8) B10(1.6,4.8) B11(2.4,4.8) B12(3.2,4.8) B13(4,4.8) B14(4.8,4.8) B15(5.6,4.8) C1(-5.6,4) C2(-4.8,4) C3(-4,4) C4(-3.2,4) C5(-2.4,4) C6(-1.6,4) C7(-0.8,4) C8(0,4) C9(0.8,4) C10(1.6,4) C11(2.4,4) C12(3.2,4) C13(4,4) C14(4.8,4) C15(5.6,4) D1(-5.6,3.2) D2(-4.8,3.2) D3(-4,3.2) D4(-3.2,3.2) D5(-2.4,3.2) D6(-1.6,3.2) D7(-0.8,3.2) D8(0,3.2) D9(0.8,3.2) D10(1.6,3.2) D11(2.4,3.2) D12(3.2,3.2) D13(4,3.2) D14(4.8,3.2) D15(5.6,3.2) E1(-5.6,2.4) E2(-4.8,2.4) E3(-4,2.4) E4(-3.2,2.4) E5(-2.4,2.4) E6(-1.6,2.4) E7(-0.8,2.4) E8(0,2.4) E9(0.8,2.4) E10(1.6,2.4) E11(2.4,2.4) E12(3.2,2.4) E13(4,2.4) E14(4.8,2.4) E15(5.6,2.4) F1(-5.6,1.6) F2(-4.8,1.6) F3(-4,1.6) F4(-3.2,1.6) F5(-2.4,1.6) F6(-1.6,1.6) F7(-0.8,1.6) F8(0,1.6) F9(0.8,1.6) F10(1.6,1.6) F11(2.4,1.6) F12(3.2,1.6) F13(4,1.6) F14(4.8,1.6) F15(5.6,1.6) G1(-5.6,0.8) G2(-4.8,0.8) G3(-4,0.8) G4(-3.2,0.8) G5(-2.4,0.8) G6(-1.6,0.8) G10(1.6,0.8) G11(2.4,0.8) G12(3.2,0.8) G13(4,0.8) G14(4.8,0.8) G15(5.6,0.8) H1(-5.6,0) H2(-4.8,0) H3(-4,0) H4(-3.2,0) H5(-2.4,0) H6(-1.6,0) H10(1.6,0) H11(2.4,0) H12(3.2,0) H13(4,0) H14(4.8,0) H15(5.6,0) J1(-5.6,-0.8) J2(-4.8,-0.8) J3(-4,-0.8) J4(-3.2,-0.8) J5(-2.4,-0.8) J6(-1.6,-0.8) J10(1.6,-0.8) J11(2.4,-0.8) J12(3.2,-0.8) J13(4,-0.8) J14(4.8,-0.8) J15(5.6,-0.8) K1(-5.6,-1.6) K2(-4.8,-1.6) K3(-4,-1.6) K4(-3.2,-1.6) K5(-2.4,-1.6) K6(-1.6,-1.6) K7(-0.8,-1.6) K8(0,-1.6) K9(0.8,-1.6) K10(1.6,-1.6) K11(2.4,-1.6) K12(3.2,-1.6) K13(4,-1.6) K14(4.8,-1.6) K15(5.6,-1.6) L1(-5.6,-2.4) L2(-4.8,-2.4) L3(-4,-2.4) L4(-3.2,-2.4) L5(-2.4,-2.4) L6(-1.6,-2.4) L7(-0.8,-2.4) L8(0,-2.4) L9(0.8,-2.4) L10(1.6,-2.4) L11(2.4,-2.4) L12(3.2,-2.4) L13(4,-2.4) L14(4.8,-2.4) L15(5.6,-2.4) M1(-5.6,-3.2) M2(-4.8,-3.2) M3(-4,-3.2) M4(-3.2,-3.2) M5(-2.4,-3.2) M6(-1.6,-3.2) M7(-0.8,-3.2) M8(0,-3.2) M9(0.8,-3.2) M10(1.6,-3.2) M11(2.4,-3.2) M12(3.2,-3.2) M13(4,-3.2) M14(4.8,-3.2) M15(5.6,-3.2) N1(-5.6,-4) N2(-4.8,-4) N3(-4,-4) N4(-3.2,-4) N5(-2.4,-4) N6(-1.6,-4) N7(-0.8,-4) N8(0,-4) N9(0.8,-4) N10(1.6,-4) N11(2.4,-4) N12(3.2,-4) N13(4,-4) N14(4.8,-4) N15(5.6,-4) P1(-5.6,-4.8) P2(-4.8,-4.8) P3(-4,-4.8) P4(-3.2,-4.8) P5(-2.4,-4.8) P6(-1.6,-4.8) P7(-0.8,-4.8) P8(0,-4.8) P9(0.8,-4.8) P10(1.6,-4.8) P11(2.4,-4.8) P12(3.2,-4.8) P13(4,-4.8) P14(4.8,-4.8) P15(5.6,-4.8) R1(-5.6,-5.6) R2(-4.8,-5.6) R3(-4,-5.6) R4(-3.2,-5.6) R5(-2.4,-5.6) R6(-1.6,-5.6) R7(-0.8,-5.6) R8(0,-5.6) R9(0.8,-5.6) R10(1.6,-5.6) R11(2.4,-5.6) R12(3.2,-5.6) R13(4,-5.6) R14(4.8,-5.6) R15(5.6,-5.6)
  silkscreen extent -6.8,-6.8 6.8,6.8, body extent -6.5,-6.5 6.5,6.5, height 1.1
DFN-MC8 [mm] "SON, 8-Leads, Body 2x3mm, Pitch 0.5mm, Microchip Recommended"
  rect 0.75x0.3 smd: 1(-1.45,0.75) 2(-1.45,0.25) 3(-1.45,-0.25) 4(-1.45,-0.75) 5(1.45,-0.75) 6(1.45,-0.25) 7(1.45,0.25) 8(1.45,0.75)
  rect 1.75x1.45 smd: 9(0,0)
  silkscreen extent -2.18,1.05 -2.09,1.15, body extent -1.55,-1.05 1.55,1.05, height 1
DS1021-1x20 [mm]
  round 1.5 hole 1.02 paste-2539.97 mask+0: 1(1.61,-1.37)
  round 1.5 / inner rect 0.375x0.35 / far side round 1.5 hole 1.02 paste-2539.97 mask+0: 2(1.61,-3.91) 3(1.61,-6.45) 4(1.61,-8.99) 5(1.61,-11.53) 6(1.61,-14.07) 7(1.61,-16.61) 8(1.61,-19.15) 9(1.61,-21.69) 10(1.61,-24.23) 11(1.61,-26.77) 12(19.39,-26.77) 13(19.39,-24.23) 14(19.39,-21.69) 15(19.39,-19.15) 16(19.39,-16.61) 17(19.39,-14.07) 18(19.39,-11.53) 19(19.39,-8.99) 20(19.39,-6.45) 21(19.39,-3.91) 22(19.39,-1.37)
  silkscreen extent 0,-28.52 21,1.25, body extent -0.02,-28.16 21,0.98, height 11.1